# KiCad board P5S533-TVM ISA R101G.kicad_pcb
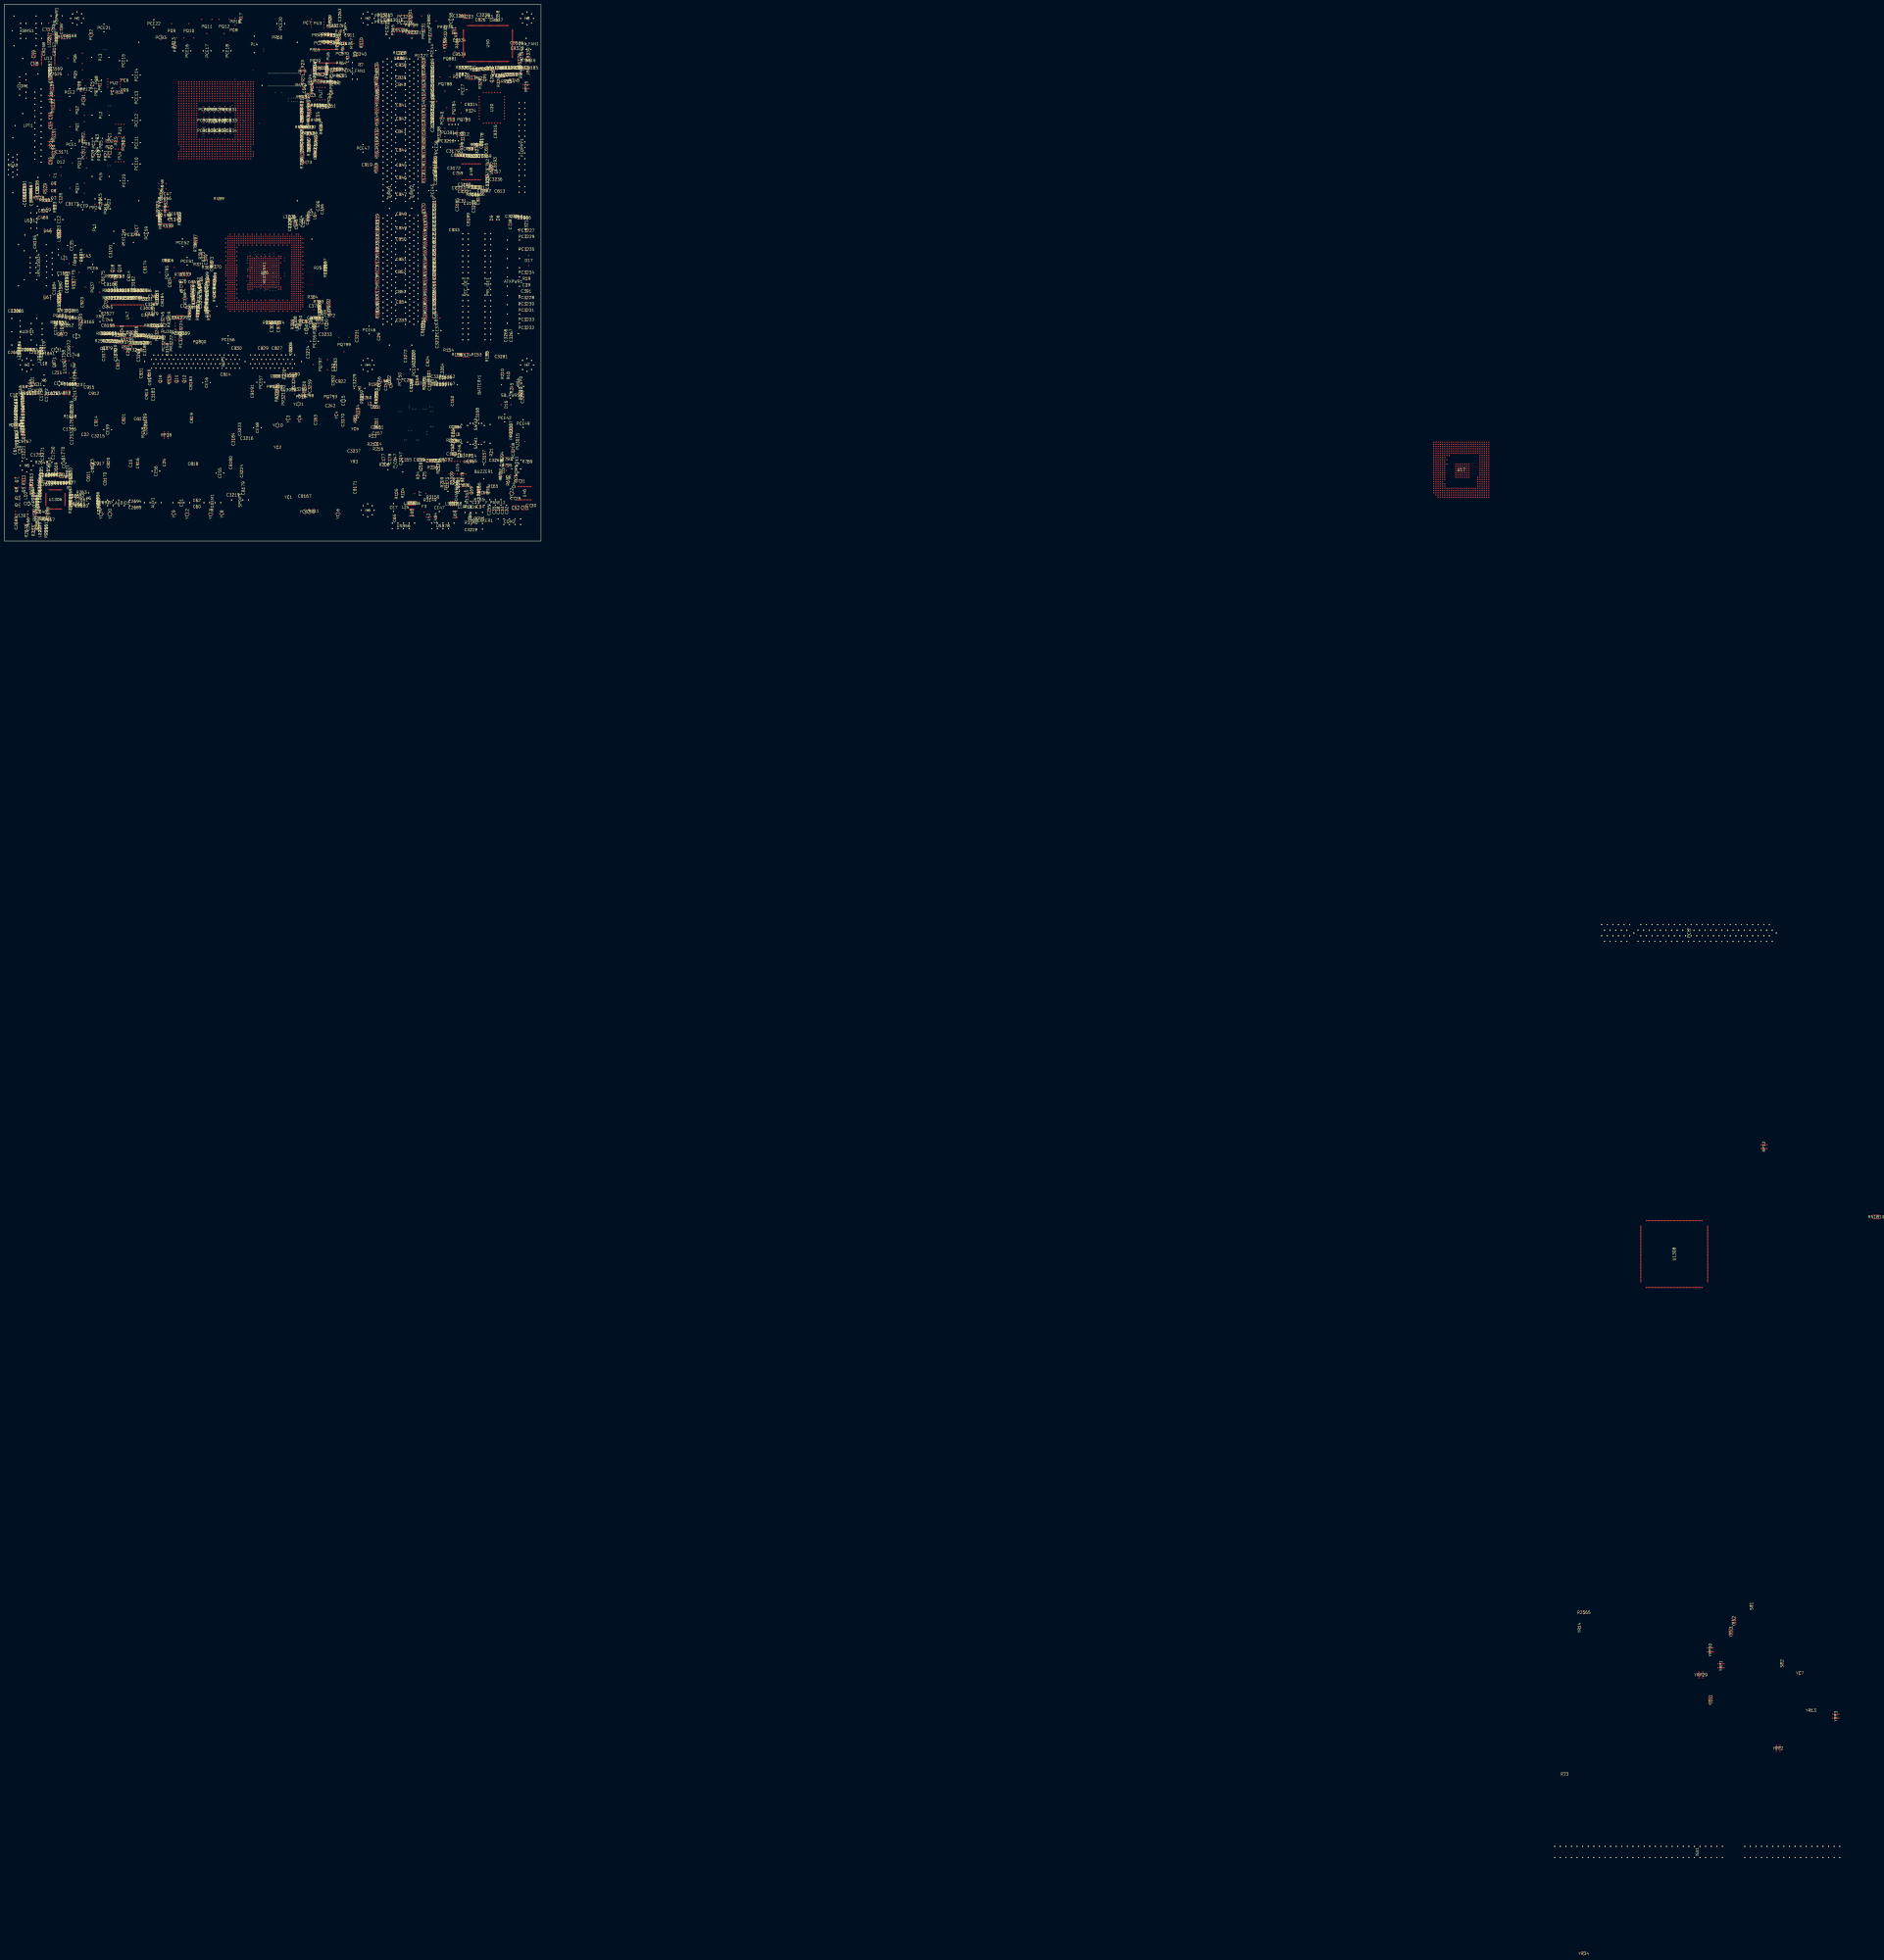
[diagram p0: board, top side]
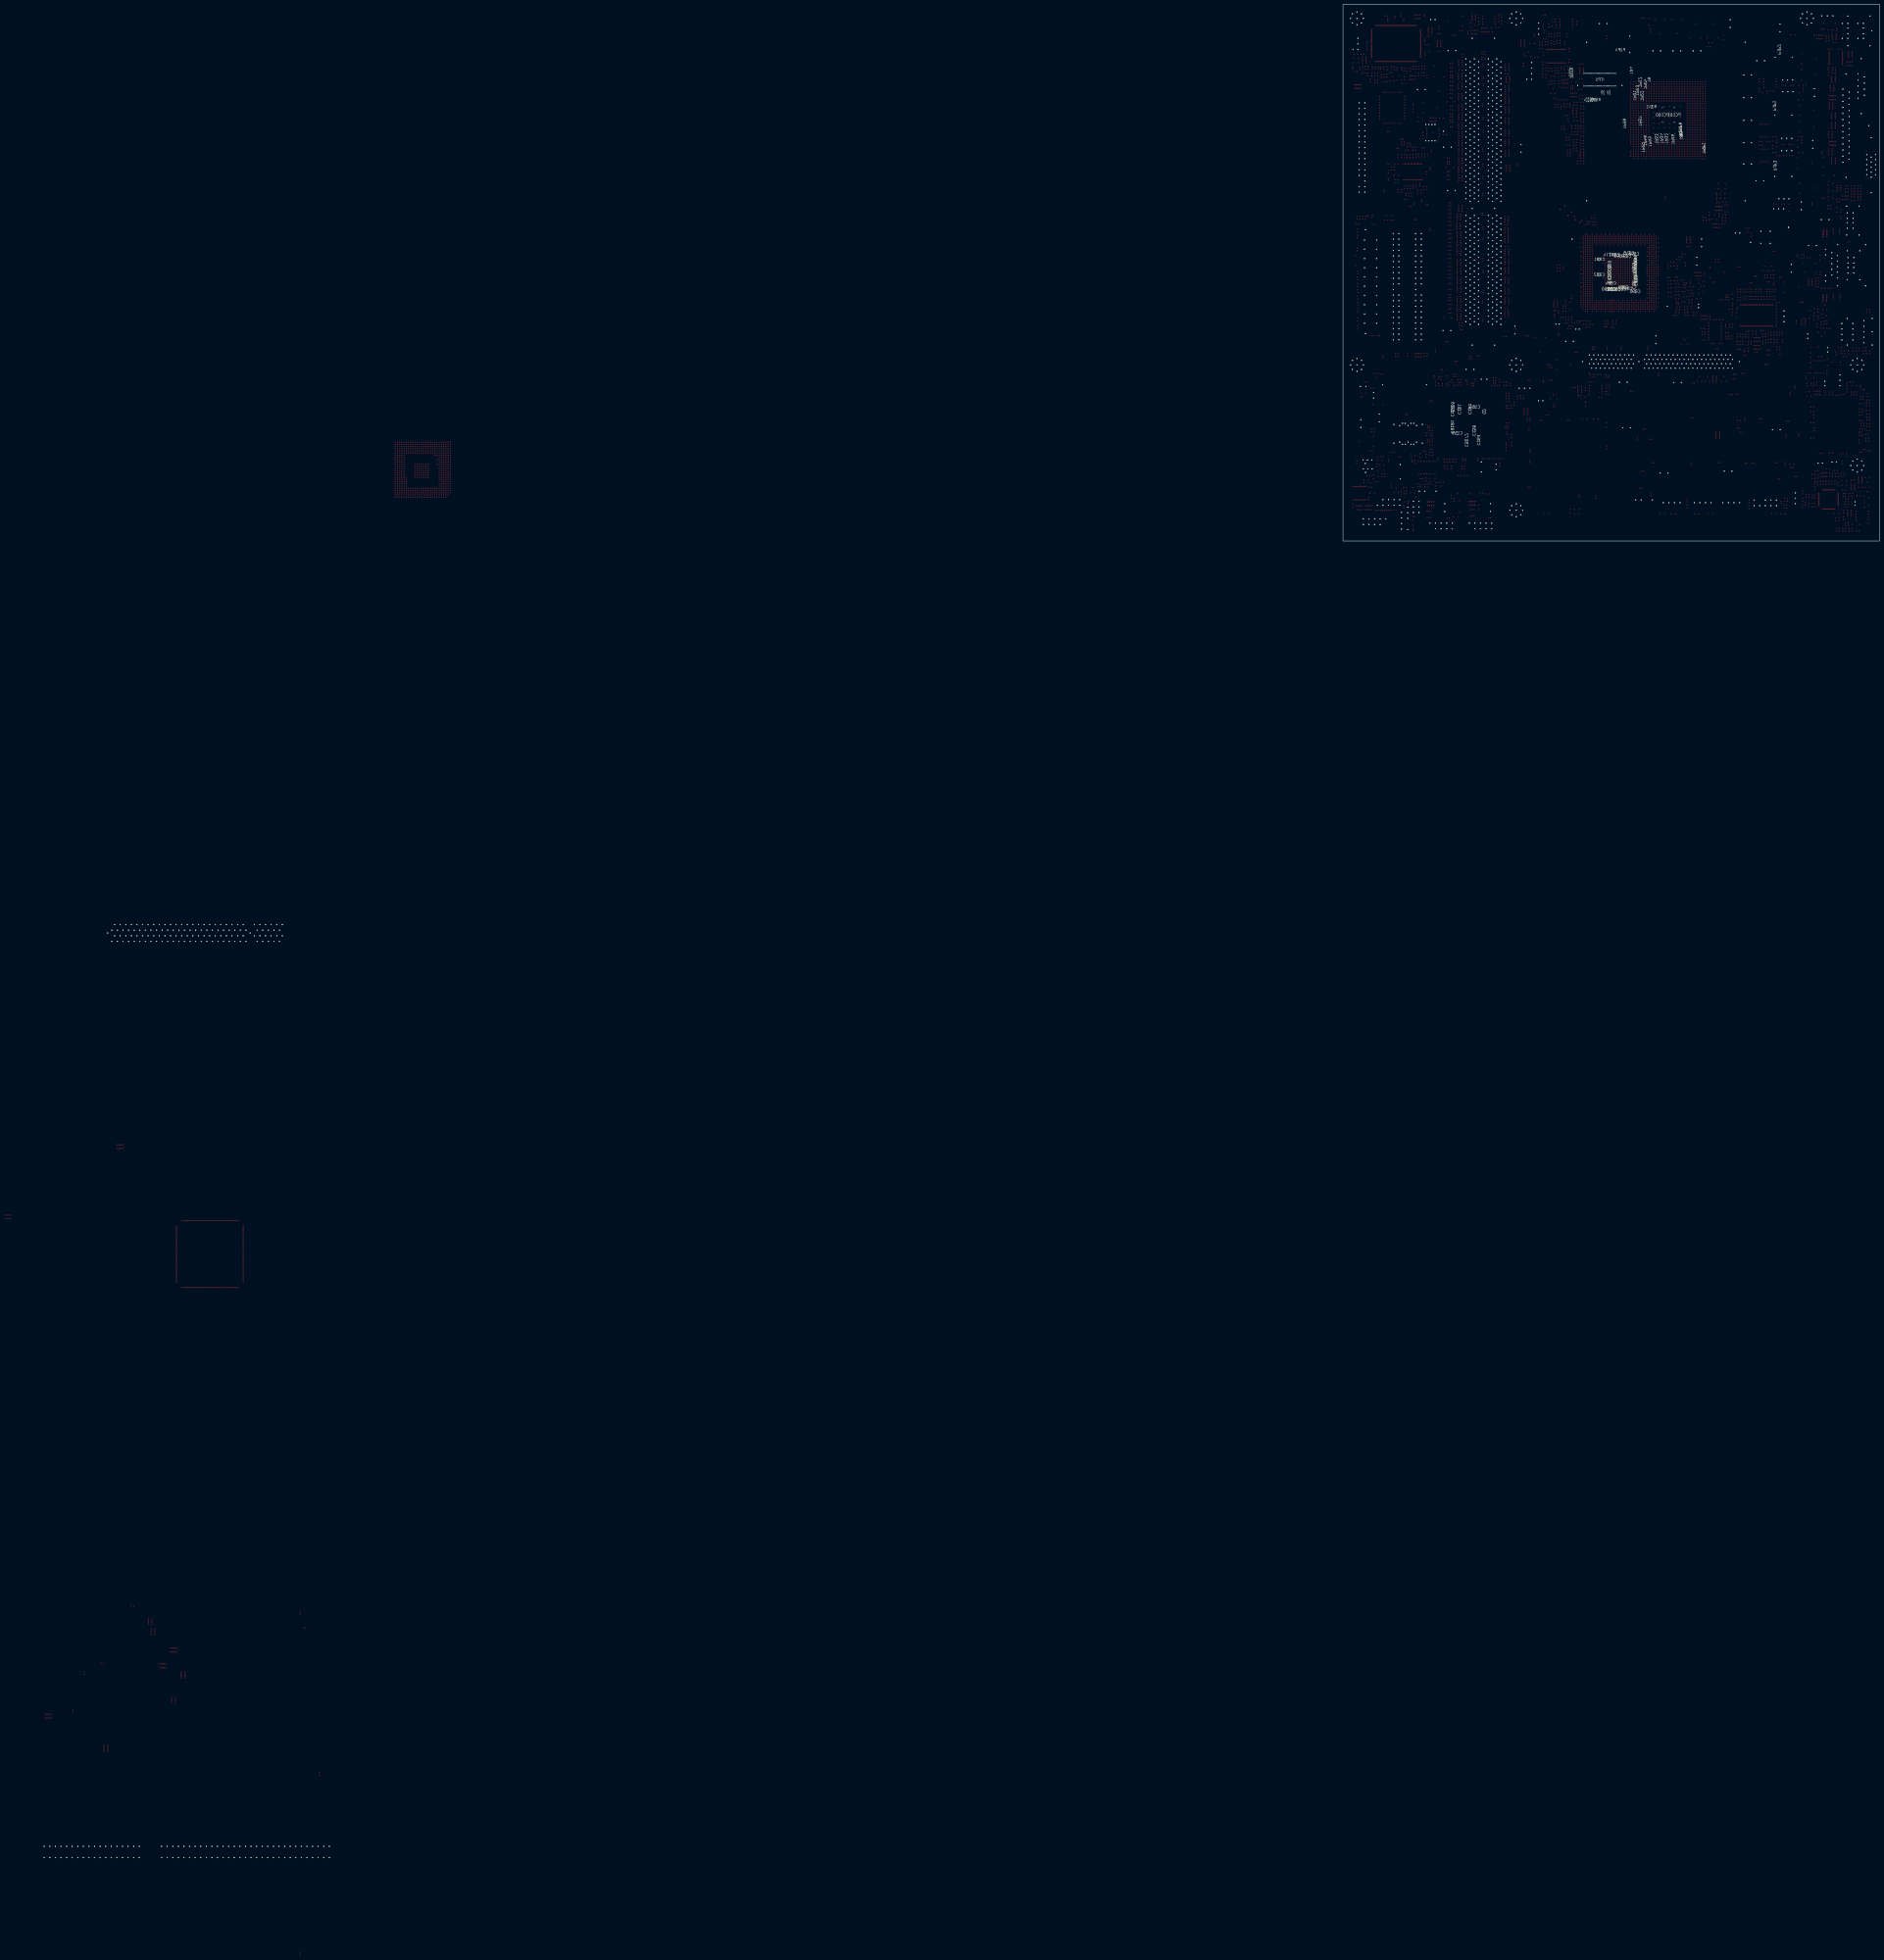
[diagram p1: board, bottom side, seen from below]

Outline 243.84 x 243.84 mm; copper layers: Top, Bottom. Coordinates in mm from the lower left corner of the outline.
Outline path: rectangle 0,243.84 243.84,0

## Placement (name value [footprint] x y rotation side)
AGP1  SLOT 124P AGP 1.5V G/F NY,AIMM  [SLOT_AGP_124P_79_RETN_LF3]  99.36 81.53 270 top
ATX12V1  POWER CON 4P S/T,ATX,W/PG2  [PWR_2X2P_165_HOLD_LF3]  54.18 138 270 top
ATXPWR1  POWER CON 20P W/PEG,A,B  [PWR_2X10P_165_2HOLD_ATX_LF3]  231.32 117.88 0 top
AUDIO1  PHONE_JACK_15P_UP_LF3|JACK_3IN1  [PHONE_JACK_15P_UP_LF3]  10.26 95.1 180 top
AUX1  WAFER HD 4P S/T 2.54,CD,WHITE  [WAFER_BOX_1X4P_100_4W_LF3]  67.44 17.42 270 top
BATTERY1  BATT HOLDER/CR2032 DIP  [BATHOLDER_2P_787_LOTES_LF3]  215.85 70.99 90 top
BIOS_WP0  HEADER 1X2P,S/T,2.54mm,G/F  [HD_1X2P_100_LF3]  234.7 70.23 270 top
BUZZER1  BUZZER/5V 2400HZ 87DB  [BUZZER_256_BD472_H394_LF3]  217.81 31.5 180 top
C1  C0402|0.1UF  [C0402#2]  169.8 60.91 180 top
C2  C0402|0.1UF  [C0402#7]  179.71 58.8 90 bottom
C3  C0402|0.1UF  [C0402]  175.01 71.88 270 top
C4  0.01U|+80%-20%  [C0603]  175.64 70.74 270 top
C5  0.01U|+80%-20%  [C0603]  168.66 60.96 180 top
C6  0.01U|+80%-20%  [C0603]  167.39 60.96 180 top
C7  C0402|0.1UF  [C0402]  175.01 72.9 270 top
C8  C0402|0.1UF  [C0402]  222.12 212.85 270 top
C9  C0402|0.1UF  [C0402#2]  136.35 99.69 180 top
C10  C0402|0.1UF  [C0402]  142.24 98.88 270 top
C11  10P|+/-5%  [C0603]  196.6 36.58 180 top
C12  0OHM|5%  [R0603]  45.34 87.5 180 top
C13  C0402|0.1UF  [C0402]  214.2 17.58 0 top
C14  C0402|0.1UF  [C0402]  169.72 44.15 0 top
C15  C0402|0.1UF  [C0402]  57.4 35.31 270 top
C16  0.01U|+80%-20%  [C0603]  203.96 48.9 270 top
C17  C0402|0.1UF  [C0402]  203.71 47.75 270 top
C18  0.01U|+80%-20%  [C0603]  189.23 34.04 270 top
C19  C0402|0.1UF  [C0402#2]  189.36 36.96 180 top
C20  10P|+/-5%  [C0603]  216.66 180.09 270 top
C21  10P|+/-5%  [C0603]  216.66 181.36 270 top
C22  C0402|0.1UF  [C0402]  36.63 48.39 0 top
C23  C0402|0.1UF  [C0402#4]  220.22 238.12 0 top
C24  C0402|0.1UF  [C0402]  204.19 26.54 0 top
C25  C0402|0.1UF  [C0402#2]  72.64 35.56 90 top
C26  10UF/10V|MLCC/+80-20%  [C0805]  66.93 111.12 0 top
C27  C0402|0.1UF  [C0402]  61.39 86.49 0 top
C28  C0402|0.1UF  [C0402#2]  56.13 85.9 90 top
C29  C0402|0.1UF  [C0402]  170.15 92.84 270 top
C30  C0402|0.1UF  [C0402]  149.48 78.87 270 top
C31  C0402|0.1UF  [C0402]  208.03 154.56 0 top
C32  C0402|0.1UF  [C0402#2]  228.22 13.97 90 top
C33  C0402|0.1UF  [C0402#2]  226.31 13.97 90 top
C34  C0402|0.1UF  [C0402]  216.18 15.62 0 top
C35  C0402|0.1UF  [C0402#2]  222.55 13.97 90 top
C36  C0402|0.1UF  [C0402]  211.66 11.05 270 top
C37  3300P|+/-10%  [C0603]  233.81 215.01 180 top
C38  C0402|0.1UF  [C0402#2]  224.43 13.97 90 top
C39  470PF/50V|MLCC/+/-10%  [C0603]  237.21 116.33 180 top
C40  C0402|0.1UF  [C0402]  205.1 229.41 270 top
C41  C0402|0.1UF  [C0402]  7.24 68.83 270 top
C42  C0402|0.1UF  [C0402]  5.71 48.46 270 top
C43  C0402|0.1UF  [C0402#2]  37.47 129.54 180 top
C44  220P|+/-10%  [C0603]  135.13 181.99 270 top
C45  1UF/10V|MLCC/+80%-20%  [C0603]  138.3 181.1 270 top
C46  C0402|0.1UF  [C0402#2]  74.04 155.7 180 top
C47  C0402|0.1UF  [C0402]  74.04 157.73 0 top
C48  10UF|+80%-20%  [C1206]  71.78 162.41 90 top
C49  10UF|+80%-20%  [C1206]  71.78 160.05 90 top
C50  100P|+/-5%  [C0603]  135.13 191.9 90 top
C51  0.1UF/25V|MLCC/+80%-20%  [C0603]  135.13 199.39 270 top
C52  1UF/10V|MLCC/+80%-20%  [C0603]  141.48 179.83 270 top
C53  0.1UF/25V|MLCC/+80%-20%  [C0603]  135.13 178.05 90 top
C54  1UF/10V|MLCC/+80%-20%  [C0603]  135.13 172.72 90 top
C55  0.1U|+/-10%  [C0603]  142.49 193.29 270 top
C56  0.1U|+/-10%  [C0603]  136.27 205.23 90 top
C57  C0402|0.1UF  [C0402]  30.99 71.12 0 top
C58  C0402|0.1UF  [C0402#2]  8.76 70.1 180 top
C59  C0402|0.1UF  [C0402]  6.99 41.53 270 top
C60  1UF/10V|MLCC/+80%-20%  [C0603]  87.43 15.67 0 top
C61  C0402|0.1UF  [C0402#2]  4.83 40.89 90 top
C62  1UF/10V|MLCC/+80%-20%  [C0603]  87.43 18.47 180 top
C63  220P|+/-10%  [C0603]  138.3 178.56 270 top
C64  1UF/10V|MLCC/+80%-20%  [C0603]  141.22 175.13 270 top
C65  C0402|0.1UF  [C0402]  177.29 10.41 270 top
C66  1UF/10V|MLCC/+80%-20%  [C0603]  73.28 127.51 180 top
C67  C0402|0.1UF  [C0402#2]  88.65 116.33 90 top
C135  C0402|0.1UF  [C0402]  25.53 155.83 270 top
C136  33P|+/-5%  [C0603]  14.99 158.57 270 top
C137  33P|+/-5%  [C0603]  14.99 160.02 270 top
C138  33P|+/-5%  [C0603]  14.99 161.42 270 top
C139  22P|+/-5%  [C0603]  9.14 158.88 90 top
C140  22P|+/-5%  [C0603]  9.14 160.15 90 top
C141  22P|+/-5%  [C0603]  9.14 161.42 90 top
C142  33P|+/-5%  [C0603]  9.14 157.61 90 top
C143  33P|+/-5%  [C0603]  9.14 156.34 90 top
C144  33P|+/-5%  [C0603]  12.19 154.56 90 top
C145  33P|+/-5%  [C0603]  9.14 155.07 90 top
C146  47PF/50V|MLCC/+/-5%  [C0603]  170.31 72.26 90 top
C147  47PF/50V|MLCC/+/-5%  [C0603]  170.18 70.74 90 top
C148  C0402|0.1UF  [C0402#2]  173.3 70.69 90 top
C149  0.01U|+80%-20%  [C0603]  168.91 64.64 90 top
C150  C0402|0.1UF  [C0402]  203.58 63.63 270 top
C151  C0402|0.1UF  [C0402#4]  169.93 51.71 180 top
C152  C0402|0.1UF  [C0402#2]  203.58 41.66 90 top
C153  C0402|0.1UF  [C0402#8]  182.25 45.85 270 bottom
C154  C0402|0.1UF  [C0402#7]  194.18 58.93 90 bottom
C155  C0402|0.1UF  [C0402#2]  182.63 36.96 180 top
C156  C0402|0.1UF  [C0402#4]  204.34 51.82 0 top
C157  C0402|0.1UF  [C0402#2]  169.42 48.9 180 top
C158  0.1UF/25V|MLCC/+80%-20%  [C0603#4]  184.28 50.16 270 bottom
C159  0.1UF/25V|MLCC/+80%-20%  [C0603]  191.9 49.02 180 bottom
C160  0.1UF/25V|MLCC/+80%-20%  [C0603#4]  186.18 59.94 270 bottom
C161  0.1UF/25V|MLCC/+80%-20%  [C0603#4]  191.01 59.94 90 bottom
C162  C0402|0.1UF  [C0402]  202.36 74.68 0 top
C163  C0402|0.1UF  [C0402]  141.35 54.99 270 top
C164  C0402|0.1UF  [C0402]  183.9 60.96 180 bottom
C165  0.1UF/25V|MLCC/+80%-20%  [C0603#4]  193.93 60.96 90 bottom
C166  C0402|0.1UF  [C0402#2]  188.21 36.96 180 top
C167  0.01U|+80%-20%  [C0603]  203.2 39.62 180 top
C169  C0402|0.1UF  [C0402#2]  187.58 73.03 90 top
C170  C0402|0.1UF  [C0402]  198.63 71.12 0 top
C172  68P|+/-5%  [C0603]  193.93 36.58 180 top
C173  C0402|0.1UF  [C0402#2]  201.29 26.54 90 top
C174  68P|+/-5%  [C0603]  197.1 34.16 90 top
C175  C0402|0.1UF  [C0402]  190.75 72.01 270 top
C176  C0402|0.1UF  [C0402]  193.17 70.74 270 top
C177  15P|+/-5%  [C0603]  172.34 37.34 90 top
C178  15P|+/-5%  [C0603]  175.13 37.34 270 top
C179  C0402|0.1UF  [C0402]  208.66 25.15 0 top
C180  C0402|0.1UF  [C0402#2]  131.83 75.82 180 top
C181  C0402|0.1UF  [C0402]  194.56 213.36 270 top
C182  C0402|0.1UF  [C0402]  195.33 135.64 270 top
C183  C0402|0.1UF  [C0402]  194.56 211.58 270 top
C184  C0402|0.1UF  [C0402]  195.33 126.49 270 top
C185  C0402|0.1UF  [C0402]  194.56 208.79 270 top
C186  C0402|0.1UF  [C0402]  195.33 124.71 270 top
C187  C0402|0.1UF  [C0402]  194.56 210.57 270 top
C188  C0402|0.1UF  [C0402]  195.33 122.94 270 top
C189  C0402|0.1UF  [C0402]  194.56 216.92 270 top
C190  C0402|0.1UF  [C0402]  195.33 121.16 270 top
C191  C0402|0.1UF  [C0402]  194.56 215.14 270 top
C192  C0402|0.1UF  [C0402]  195.33 119.51 270 top
C193  C0402|0.1UF  [C0402]  194.56 204.98 270 top
C194  C0402|0.1UF  [C0402]  195.33 116.97 270 top
C195  C0402|0.1UF  [C0402]  194.56 203.2 270 top
C196  C0402|0.1UF  [C0402]  195.33 114.43 270 top
C197  C0402|0.1UF  [C0402]  195.96 171.45 270 top
C198  C0402|0.1UF  [C0402]  195.33 111.89 270 top
C199  C0402|0.1UF  [C0402]  194.56 201.42 270 top
C200  C0402|0.1UF  [C0402]  195.33 109.35 270 top
C201  C0402|0.1UF  [C0402]  194.56 206.88 270 top
C202  C0402|0.1UF  [C0402]  195.33 143.38 270 top
C203  C0402|0.1UF  [C0402]  194.56 195.96 270 top
C204  C0402|0.1UF  [C0402]  195.33 141.35 270 top
C205  C0402|0.1UF  [C0402]  194.56 192.79 270 top
C206  C0402|0.1UF  [C0402]  195.33 107.44 270 top
C207  C0402|0.1UF  [C0402]  194.56 191.26 270 top
C208  C0402|0.1UF  [C0402]  195.33 130.3 270 top
C209  C0402|0.1UF  [C0402]  194.56 190.25 270 top
C210  C0402|0.1UF  [C0402]  195.33 139.57 270 top
C211  C0402|0.1UF  [C0402]  195.33 152.4 270 top
C212  C0402|0.1UF  [C0402]  195.33 137.54 270 top
C213  C0402|0.1UF  [C0402]  194.56 188.21 270 top
C214  C0402|0.1UF  [C0402]  195.33 132.08 270 top
C215  C0402|0.1UF  [C0402]  195.96 172.47 270 top
C216  C0402|0.1UF  [C0402]  195.33 128.4 270 top
C217  C0402|0.1UF  [C0402]  195.33 103.63 270 top
C218  C0402|0.1UF  [C0402]  195.33 133.86 270 top
C219  C0402|0.1UF  [C0402]  195.33 153.8 270 top
C220  C0402|0.1UF  [C0402]  194.56 197.74 270 top
C221  C0402|0.1UF  [C0402]  195.33 105.54 270 top
C222  C0402|0.1UF  [C0402]  194.56 194.06 270 top
C223  C0402|0.1UF  [C0402]  195.33 150.62 270 top
C224  C0402|0.1UF  [C0402]  195.96 173.99 270 top
C225  C0402|0.1UF  [C0402]  195.33 148.84 270 top
C226  C0402|0.1UF  [C0402]  195.96 164.21 270 top
C227  C0402|0.1UF  [C0402]  195.33 147.07 270 top
C228  C0402|0.1UF  [C0402]  195.96 166.12 270 top
C229  C0402|0.1UF  [C0402]  195.33 145.16 270 top
C230  C0402|0.1UF  [C0402]  195.96 167.89 270 top
C231  68P|+/-5%  [C0603]  190.37 97.92 270 top
C232  68P|+/-5%  [C0603]  190.37 99.19 270 top
C233  C0402|0.1UF  [C0402#2]  180.34 100.33 180 top
C236  C0402|0.1UF  [C0402#4]  205.36 51.82 0 top
C237  C0402|0.1UF  [C0402]  187.32 71.5 0 top
C238  C0402|0.1UF  [C0402]  204.34 45.47 0 top
C240  C0402|0.1UF  [C0402]  205.36 45.47 0 top
C241  C0402|0.1UF  [C0402#4]  168.91 51.71 180 top
C242  C0402|0.1UF  [C0402#2]  148.08 61.47 180 top
C254  C0402|0.1UF  [C0402]  183.77 73.13 0 top
C255  0.01U|+80%-20%  [C0603]  220.22 14.07 270 top
C257  C0402|0.1UF  [C0402]  215.65 21.51 270 top
C261  C0402|0.1UF  [C0402]  184.91 71.63 270 top
C304  C0402|0.1UF  [C0402#5]  134.87 145.54 270 top
C305  0.01U|+80%-20%  [C0603#2]  138.18 147.57 270 top
C306  10UF/6.3V|MLCC/+/-10%  [C1206#3]  142.49 152.27 270 top
C307  C0402|0.1UF  [C0402#2]  137.39 99.69 180 top
C308  0.01U|+80%-20%  [C0603]  139.29 99.11 90 top
C314  22P|+/-5%  [C0603]  45.47 94.23 180 top
C325  22P|+/-5%  [C0603]  60.83 93.34 180 top
C326  10P|+/-5%  [C0603]  63.12 109.98 0 top
C328  22P|+/-5%  [C0603]  57.78 94.72 180 top
C331  22P|+/-5%  [C0603]  62.1 93.34 180 top
C332  0.1U|+/-10%  [C0603]  214.63 160.78 180 top
C335  68P|+/-5%  [C0603]  57.66 110.49 180 top
C336  68P|+/-5%  [C0603]  56.39 110.49 180 top
C342  C0402|0.1UF  [C0402#2]  91.82 107.65 90 top
C343  0.01U|+80%-20%  [C0603]  91.44 106.48 90 top
C344  C0402|0.1UF  [C0402]  132.21 145.03 270 top
C345  0.01U|+80%-20%  [C0603]  132.72 143.89 270 top
C346  0.01U|+80%-20%  [C0603]  94.11 124.97 90 top
C347  0.1UF/25V|MLCC/+80%-20%  [C0603]  120.52 130.05 180 bottom
C348  0.1UF/25V|MLCC/+80%-20%  [C0603]  113.92 130.94 180 bottom
C349  0.01U|+80%-20%  [C0603]  91.57 127.89 90 top
C350  C0402|0.1UF  [C0402]  134.62 100.08 270 top
C351  0.01U|+80%-20%  [C0603]  134.11 98.42 270 top
C354  C0402|0.1UF  [C0402#6]  135.64 144.78 270 top
C355  0.01U|+80%-20%  [C0603#3]  137.67 146.05 270 top
C356  10UF/6.3V|MLCC/+/-10%  [C1206#2]  144.4 150.75 270 top
C357  0.1UF/25V|MLCC/+80%-20%  [C0603]  85.47 115.7 90 top
C358  C0805|10UF/10V  [C0805]  82.04 110.24 90 top
C359  1UF/10V|MLCC/+80%-20%  [C0603]  86.11 113.92 270 top
C360  0.1UF/25V|MLCC/+80%-20%  [C0603]  85.5 112.65 90 top
C361  0.1UF/25V|MLCC/+80%-20%  [C0603]  85.85 117.73 0 top
C362  C0402|0.1UF  [C0402]  88.27 117.35 270 top
C363  0.1UF/25V|MLCC/+80%-20%  [C0603]  95.4 118.24 90 top
C364  0.01U|+80%-20%  [C0603]  92.61 118.24 90 top
C365  C0402|0.1UF  [C0402]  89.15 113.41 270 top
C366  0.1UF/25V|MLCC/+80%-20%  [C0603]  95.38 114.94 90 top
C367  0.01U|+80%-20%  [C0603]  91.87 116.84 90 top
C368  C0402|0.1UF  [C0402]  121.41 97.16 270 top
C369  0.1U|+80%-20%  [C0603#4]  122.81 124.97 90 bottom
C370  10UF/6.3V|MLCC/+/-10%  [C1206]  140.59 106.78 180 top
C371  C0402|0.1UF  [C0402#2]  145.92 104.14 180 top
C372  C0402|0.1UF  [C0402]  147.83 102.49 0 top
C374  C0402|0.1UF  [C0402]  147.62 104.67 270 top
C391  470PF/50V|MLCC/+/-10%  [C0603]  237.11 113.54 0 top
C484  C0402|0.1UF  [C0402]  195.96 10.41 270 top
C489  C0402|0.1UF  [C0402#2]  17.53 146.94 180 top
C611  C0402|0.1UF  [C0402#2]  38.1 29.34 90 top
C612  C0402|0.1UF  [C0402]  51.56 80.31 270 top
C613  C0402|0.1UF  [C0402]  225.04 159 0 top
C614  C0402|0.1UF  [C0402#2]  56.52 120.4 90 top
C615  C0402|0.1UF  [C0402]  207.57 178.61 270 top
C616  C0402|0.1UF  [C0402]  218.95 178.44 270 top
C617  C0402|0.1UF  [C0402#4]  61.21 55.5 180 top
C630  33P|+/-5%  [C0603]  14.73 68.35 180 top
C631  33P|+/-5%  [C0603]  14.76 71.15 0 top
C647  C0402|0.1UF  [C0402]  177.55 37.34 270 top
C655  C0402|0.1UF  [C0402]  212.34 36.32 0 top
C729  0.1U|+80%-20%  [C0603]  232.16 19.3 180 top
C730  0.1U|+80%-20%  [C0603]  239.27 16.13 180 top
C731  0.1U|+80%-20%  [C0603]  234.31 27.23 0 top
C732  150P|+/-5%  [C0603]  20.7 212.6 90 top
C736  C0402|0.1UF  [C0402]  25.91 232.66 270 top
C737  C0402|0.1UF  [C0402#2]  19.56 232.38 180 top
C738  0.1U|+80%-20%  [C0603]  229.87 143.89 270 top
C739  0.1U|+80%-20%  [C0603]  46.23 108.33 90 top
C740  0.1U|+80%-20%  [C0603]  53.34 95.63 90 top
C741  0.1U|+80%-20%  [C0603]  56.13 94.61 180 top
C742  0.1U|+80%-20%  [C0603]  52.58 110.49 0 top
C743  0.1U|+80%-20%  [C0603]  60.33 110.62 0 top
C744  0.1U|+80%-20%  [C0603]  61.59 110.62 0 top
C745  33PF/50V|MLCC/+/-5%  [C0603]  46.86 106.3 0 top
C746  33PF/50V|MLCC/+/-5%  [C0603]  46.86 100.46 180 top
C753  68P|+/-5%  [C0603]  212.09 174.88 0 top
C754  68P|+/-5%  [C0603]  210.82 161.54 180 top
C756  22P|+/-5%  [C0603]  60.71 113.79 0 top
C757  0.1U|+80%-20%  [C0603]  223.27 167.77 180 top
C758  0.1U|+80%-20%  [C0603]  210.82 178.18 0 top
C759  0.1U|+80%-20%  [C0603]  205.99 167.13 0 top
C760  0.1U|+80%-20%  [C0603]  210.82 174.88 0 top
C761  0.1U|+80%-20%  [C0603]  215.9 160.66 180 top
C762  0.1U|+80%-20%  [C0603]  219.58 171.2 270 top
C763  22P|+/-5%  [C0603]  49.28 90.93 180 top
C764  22P|+/-5%  [C0603]  50.55 90.93 0 top
C765  10P|+/-5%  [C0603]  205.23 175.26 180 top
C766  10P|+/-5%  [C0603]  206.76 175.26 180 top
C769  10P|+/-5%  [C0603]  218.95 174.88 180 top
C770  10P|+/-5%  [C0603]  217.42 174.88 180 top
C771  10P|+/-5%  [C0603]  209.93 158.75 0 top
C772  10P|+/-5%  [C0603]  208.41 158.75 0 top
C774  10P|+/-5%  [C0603]  207.14 160.4 0 top
C775  22P|+/-5%  [C0603]  58.17 113.79 180 top
C777  10P|+/-5%  [C0603]  205.61 160.4 0 top
C779  22P|+/-5%  [C0603]  46.74 87.63 0 top
C780  10P|+/-5%  [C0603]  209.55 175.26 180 top
C781  10P|+/-5%  [C0603]  208.03 175.26 180 top
C782  10P|+/-5%  [C0603]  218.69 159.13 0 top
C784  10P|+/-5%  [C0603]  217.17 159.13 0 top
C786  22P|+/-5%  [C0603]  63.5 90.04 0 top
C788  22P|+/-5%  [C0603]  51.82 90.55 0 top
C790  10P|+/-5%  [C0603]  212.09 160.91 180 top
C791  22P|+/-5%  [C0603]  64.77 90.04 0 top
C793  C0402|0.1UF  [C0402#3]  225.3 215.01 180 top
C794  0.1U|+80%-20%  [C0603]  235.08 221.18 90 top
C795  0.1U|+80%-20%  [C0603]  152.91 234.06 0 top
C815  C0402|0.1UF  [C0402]  69.34 111.76 270 top
C816  C0402|0.1UF  [C0402]  65.79 75.69 270 top
C818  C0402|0.1UF  [C0402]  85.72 35.05 0 top
C819  C0402|0.1UF  [C0402]  85.09 55.88 270 top
C820  C0402|0.1UF  [C0402]  47.24 35.56 270 top
C821  C0402|0.1UF  [C0402#2]  54.23 55.5 90 top
C822  5P|+/-0.25PF  [C0603]  92.08 113.44 90 top
C823  5P|+/-0.25PF  [C0603]  95.38 113.06 90 top
C824  5P|+/-0.25PF  [C0603]  91.62 115.32 90 top
C826  C0402|0.1UF  [C0402]  216.28 236.85 0 top
C830  33P|+/-5%  [C0603]  219.25 214.48 180 top
C831  33P|+/-5%  [C0603]  220.52 214.76 180 top
C832  C0603|470PF  [C0603]  17.65 150.11 0 top
C908  22P|+/-5%  [C0603]  53.09 93.6 0 top
C909  22P|+/-5%  [C0603]  58.42 90.04 180 top
C910  0.1U|+80%-20%  [C0603]  155.96 219.71 270 top
C911  C0402|0.1UF  [C0402]  156.84 229.87 0 top
C912  C0402|0.1UF  [C0402]  40.64 67.06 0 top
C913  C0402|0.1UF  [C0402#2]  64.64 66.67 90 top
C914  C0402|0.1UF  [C0402#2]  41.66 54.48 90 top
C915  C0402|0.1UF  [C0402]  38.48 69.85 0 top
C916  C0402|0.1UF  [C0402#2]  60.58 35.31 90 top
C917  C0402|0.1UF  [C0402#2]  42.93 35.18 180 top
C918  C0402|0.1UF  [C0402]  40.13 33.4 270 top
C919  C0402|0.1UF  [C0402]  164.72 170.94 0 top
C920  C0402|0.1UF  [C0402#3]  50.42 86.74 270 top
C922  C0402|0.1UF  [C0402#2]  152.78 72.52 180 top
C923  C0402|0.1UF  [C0402]  35.31 108.46 270 top
C924  C0402|0.1UF  [C0402]  192.41 81.66 270 top
C1345  C0402|0.1UF  [C0402#2]  77.34 146.05 180 top
C1635  0.1UF/25V|MLCC/+80%-20%  [C0603]  30.48 58.8 270 top
C1683  0.01U|+80%-20%  [C0603]  26.87 121.67 180 top
C1684  0.01U|+80%-20%  [C0603]  22.61 114.86 90 top
C1745  0.1UF/25V|MLCC/+80%-20%  [C0603]  8.51 57.35 90 top
C1746  22UF/10V|MLCC/Y5V/+80%-20%  [C1206_H75]  31.62 74.04 270 top
C1747  0.1UF/25V|MLCC/+80%-20%  [C0603]  32.13 76.33 270 top
C1748  C0805|10UF/10V  [C0805]  31.24 84.45 0 top
C1749  0.1UF/25V|MLCC/+80%-20%  [C0603]  24.64 67.06 0 top
C1750  0.1UF/25V|MLCC/+80%-20%  [C0603]  22.1 39.95 270 top
C1751  0.1UF/25V|MLCC/+80%-20%  [C0603]  26.42 98.81 180 top
C1752  0.1UF/25V|MLCC/+80%-20%  [C0603]  14.86 39.12 180 top
C1753  0.1UF/25V|MLCC/+80%-20%  [C0603]  30.61 46.74 270 top
C1754  0.1UF/25V|MLCC/+80%-20%  [C0603]  8.51 48.01 90 top
C1756  0.1UF/25V|MLCC/+80%-20%  [C0603]  8.51 58.67 90 top
C1757  C0402|0.1UF  [C0402#2]  16.76 66.67 90 top
C1758  0.1UF/25V|MLCC/+80%-20%  [C0603]  26.92 83.82 90 top
C1759  0.1U|+80%-20%  [C0603]  12.93 67.08 0 top
C1760  0.1UF/25V|MLCC/+80%-20%  [C0603]  30.48 53.72 270 top
C1761  0.1UF/25V|MLCC/+80%-20%  [C0603]  8.51 54.74 90 top
C1762  0.1UF/25V|MLCC/+80%-20%  [C0603]  8.23 50.93 90 top
C1763  0.1UF/25V|MLCC/+80%-20%  [C0603]  8.38 62.48 90 top
C1764  C0402|0.1UF  [C0402#2]  8.89 49.4 90 top
C1765  0.1UF/25V|MLCC/+80%-20%  [C0603]  22.61 67.06 0 top
C1766  0.1UF/25V|MLCC/+80%-20%  [C0603]  29.62 50.8 0 top
C1767  0.1UF/25V|MLCC/+80%-20%  [C0603]  9.27 45.21 180 top
C1768  1UF/10V|MLCC/+80%-20%  [C0603]  23.24 96.65 90 top
C1769  0.1UF/25V|MLCC/+80%-20%  [C0603]  30.61 60.83 270 top
C1770  0.1UF/25V|MLCC/+80%-20%  [C0603]  26.67 39.88 270 top
C1771  1UF/10V|MLCC/+80%-20%  [C0603]  17.32 39.67 270 top
C1772  0.1UF/25V|MLCC/+80%-20%  [C0603]  19.18 66.29 90 top